# Altium PCB HTBLEBMSALL24S100A_PCB_V0.2_260323.pcbdoc (part 1 of 7)
Units mm, origin at the board's own origin, x right, y up, seen from the top; angles counter-clockwise.
Board outline 212.1 x 87.6 mm, 2 copper layers (Top Layer, Bottom Layer), stack 1.56 mm thick; 927 components, 443 nets, 2867 pads, 2632 vias.
Unrouted connection lines stored in the file: 1161.
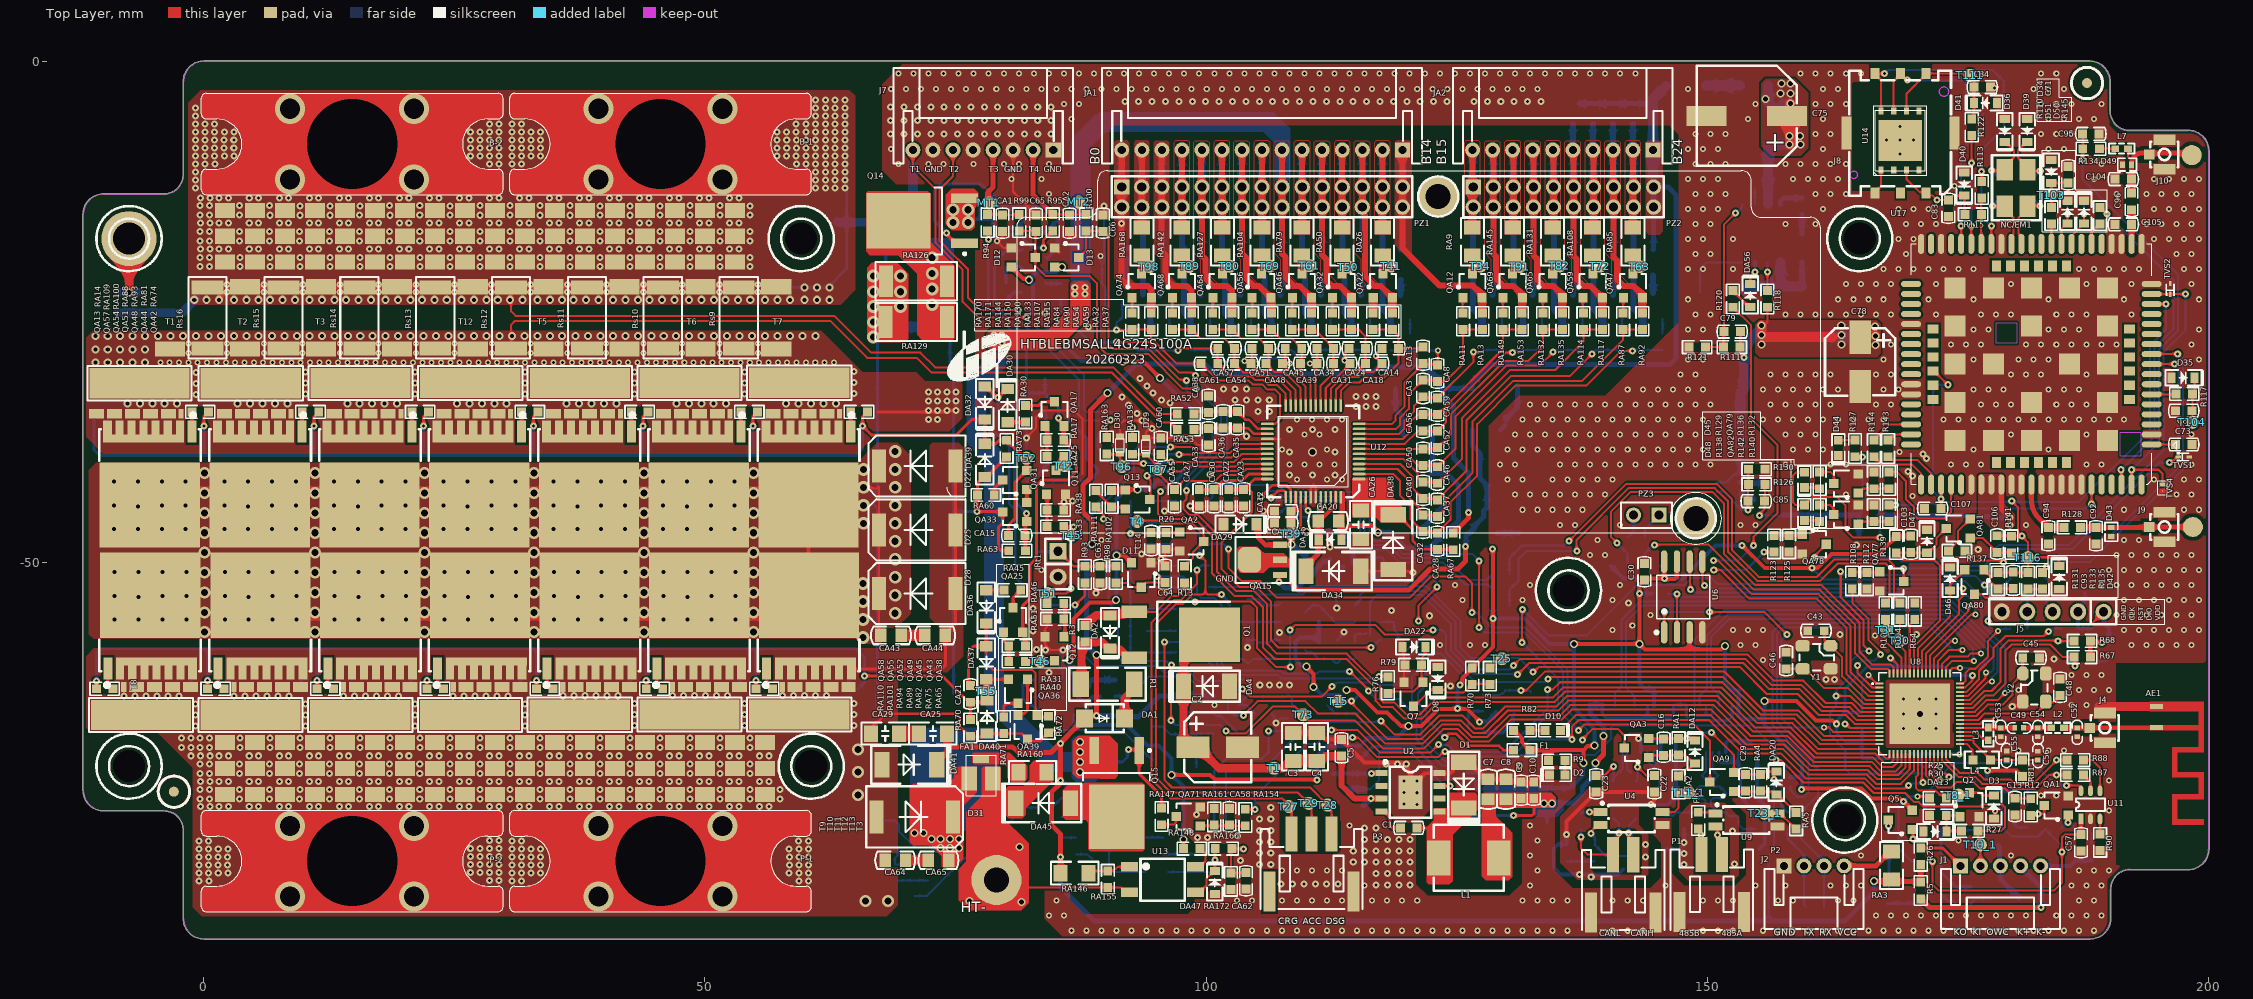
[diagram p0: Top Layer view]
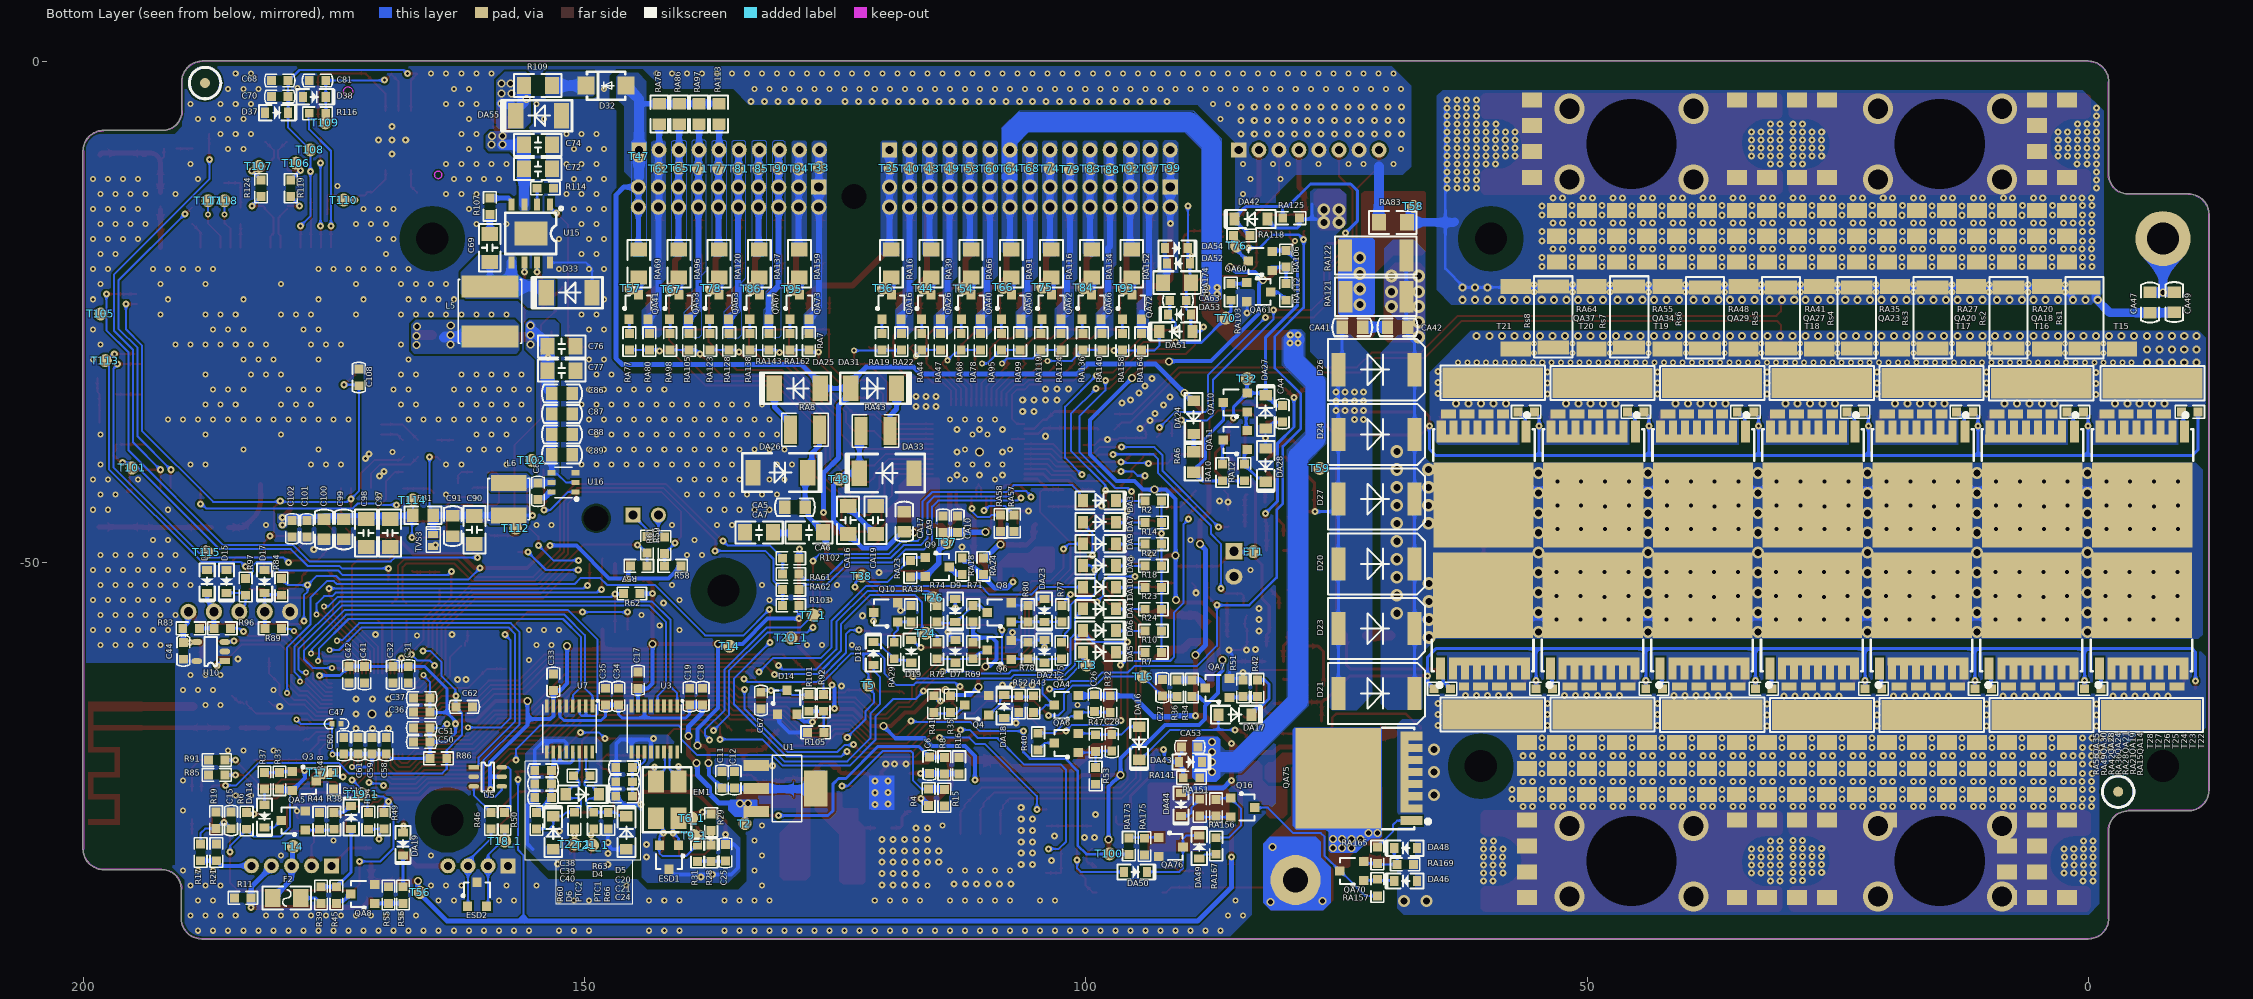
[diagram p1: Bottom Layer view, seen from below]

## Layer stack, top to bottom
Top Solder: solder mask 0.02, Solder Resist, Dk 3.5
Top Layer: signal copper 0.035
Dielectric 1: dielectric 1.49, FR-4, Dk 4.8
Bottom Layer: signal copper 0.035
Bottom Solder: solder mask 0.02, Solder Resist, Dk 3.5

## Board outline
-2.05,-85.5 -2.05,-76.718 ccw(c-4,-76.718) -4,-74.768 -10.002,-74.768 cw(c-10.002,-72.718) -12.052,-72.718 -12.052,-15.249 -12.052,-15.248 cw(c-10.002,-15.249) -10.009,-13.199 -10.002,-13.198 -4,-13.198 ccw(c-4,-11.249) -2.05,-11.249 -2.05,-2 cw(c0,-2) -0.002,0.05 0,0.05 188.134,0.05 188.143,0.051 cw(c188.143,-1.999) 190.193,-1.999 190.193,-4.92 ccw(c192.143,-4.92) 192.143,-6.87 198,-6.87 cw(c198,-8.92) 200.05,-8.92 200.049,-8.932 200.049,-78.579 cw(c197.998,-78.579) 197.998,-80.63 192.2,-80.63 ccw(c192.2,-82.579) 190.251,-82.579 190.251,-85.5 cw(c188.2,-85.5) 188.2,-87.55 0,-87.55 cw(c0,-85.5)

## Design rules (kind name [scope] priority, off if disabled: settings)
Clearance Clearance_3 [InNetClass('ANT') vs InNet('GND')] p1: gap=0.38 ignorepadtopadclearanceinfootprint=TRUE
Clearance Clearance_2 [InNetClass('HIGH1') vs InNet('GND')] p2: gap=0.35 ignorepadtopadclearanceinfootprint=TRUE
Clearance [All] p3: gap=0.2 ignorepadtopadclearanceinfootprint=TRUE
HoleSize [All] p1: absolutevalues=TRUE maxlimit=10 minlimit=0.025 maxpercent=80.000 minpercent=20.000
MinimumSolderMaskSliver [All] p1: minsoldermaskwidth=0
PlaneConnect [All] p1: planeconnectstyle=Direct reliefexpansion=0.508 reliefentries=4 reliefconductorwidth=0.3 reliefairgap=0.254
PolygonConnect [All] p1: connectstyle=Direct reliefconductorwidth=0.254 reliefentries=4 polygonreliefangle="90 Angle" airgapwidth=0.254
RoutingVias [All] p1: holewidth=0.3 width=0.7 viastyle="Through Hole" minholewidth=0.3 minwidth=0.7 maxholewidth=0.3 maxwidth=0.7
SilkToSilkClearance [All] p1: silktosilkclearance=0
SilkToSolderMaskClearance [IsPad] p1: minsilkscreentomaskgap=0 clearancetoexposedcopper=TRUE
SolderMaskExpansion [All] p1: expansion=0.102 istentingtop=FALSE
SupplyNets "Schematic Supply Nets_18" [InNet('VBAT')] p1: voltage=0.000
SupplyNets "Schematic Supply Nets_15" [InNet('B24')] p2: voltage=0.000
SupplyNets "Schematic Supply Nets_11" [InNet('5V+')] p3: voltage=0.000
SupplyNets "Schematic Supply Nets_8" [InNet('VLTE')] p4: voltage=0.000
SupplyNets "Schematic Supply Nets_7" [InNet('U_VDD')] p5: voltage=0.000
SupplyNets "Schematic Supply Nets_3" [InNet('VDD_2V8')] p6: voltage=0.000
SupplyNets "Schematic Supply Nets" [InNet('VDD_EXT')] p7: voltage=0.000
SupplyNets "Schematic Supply Nets_51" [InNet('+13V')] p8: voltage=0.000
SupplyNets "Schematic Supply Nets_50" [InNet('GND_S')] p9: voltage=0.000
SupplyNets "Schematic Supply Nets_48" [InNet('B23')] p10: voltage=0.000
SupplyNets "Schematic Supply Nets_46" [InNet('B22')] p11: voltage=0.000
SupplyNets "Schematic Supply Nets_45" [InNet('B19')] p12: voltage=0.000
SupplyNets "Schematic Supply Nets_44" [InNet('B16')] p13: voltage=0.000
SupplyNets "Schematic Supply Nets_42" [InNet('B21')] p14: voltage=0.000
SupplyNets "Schematic Supply Nets_41" [InNet('B17')] p15: voltage=0.000
SupplyNets "Schematic Supply Nets_40" [InNet('B18')] p16: voltage=0.000
SupplyNets "Schematic Supply Nets_39" [InNet('B20')] p17: voltage=0.000
SupplyNets "Schematic Supply Nets_6" [InNet('GND')] p18: voltage=0.000
SupplyNets "Schematic Supply Nets_36" [InNet('B15')] p19: voltage=0.000
SupplyNets "Schematic Supply Nets_35" [InNet('ETsH')] p20: voltage=0.000
SupplyNets "Schematic Supply Nets_33" [InNet('B5')] p21: voltage=0.000
SupplyNets "Schematic Supply Nets_31" [InNet('B7')] p22: voltage=0.000
SupplyNets "Schematic Supply Nets_30" [InNet('IGND')] p23: voltage=0.000
SupplyNets "Schematic Supply Nets_29" [InNet('B13')] p24: voltage=0.000
SupplyNets "Schematic Supply Nets_28" [InNet('B0')] p25: voltage=0.000
SupplyNets "Schematic Supply Nets_27" [InNet('B6')] p26: voltage=0.000
SupplyNets "Schematic Supply Nets_23" [InNet('B9')] p27: voltage=0.000
SupplyNets "Schematic Supply Nets_22" [InNet('B8')] p28: voltage=0.000
SupplyNets "Schematic Supply Nets_21" [InNet('B14')] p29: voltage=0.000
SupplyNets "Schematic Supply Nets_17" [InNet('PACK-')] p30: voltage=0.000
SupplyNets "Schematic Supply Nets_16" [InNet('B1')] p31: voltage=0.000
SupplyNets "Schematic Supply Nets_14" [InNet('M5V')] p32: voltage=0.000
SupplyNets "Schematic Supply Nets_13" [InNet('E3V3')] p33: voltage=0.000
SupplyNets "Schematic Supply Nets_12" [InNet('B11')] p34: voltage=0.000
SupplyNets "Schematic Supply Nets_10" [InNet('B2')] p35: voltage=0.000
SupplyNets "Schematic Supply Nets_9" [InNet('B4')] p36: voltage=0.000
SupplyNets "Schematic Supply Nets_5" [InNet('B12')] p37: voltage=0.000
SupplyNets "Schematic Supply Nets_4" [InNet('B3')] p38: voltage=0.000
SupplyNets "Schematic Supply Nets_2" [InNet('B10')] p39: voltage=0.000
SupplyNets "Schematic Supply Nets_1" [InNet('M3V3')] p40: voltage=0.000
Width [All] p1: maxlimit=2 minlimit=0.2 preferedwidth=0.2
25 further rules are at their usual default settings.

## Classes and differential pairs
net class HIGH: B3 B4 B5 B6 B7 B8 B9 B10 B11 B12 B13 B14 B15 B16 B17 B18 B19 B20 B21 B22 B23 B24 C3 C4 C5 C6 C7 C8 C9 C10 C11 C12 C13 C14 C15 C16 C17 C18 C19 C20 C21 C22 C23 C24 NetCA5_2 NetCA16_1 NetDA25_2 VBASE VBAT VTOP
net class ANT: ANT_G ANT_GNSS ANT_M ANT_MAIN NetAE1_1 NetC49_1 NetC49_2 NetL7_2
component class HTBLEBMSALL4G&AB_Sch_V0.1_20260317: C29 C48 C71 C74 C75 C77 C81 C84 C87 C88 C90 C92 C95 C96 C100 C108 D22 D33 D34 D35 D36 D37 D38 D39 D40 D41 D42 D43 D44 D45 D46 D47 D48 D49 D50 D51 DA55 DA56 FB1 J8 J9 J10 L6 L7 NC/EM1 QA30 QA81 QA82 R109 R111 R114 R129 R132 R134 R136 R139 R145 T32 T46 T47 T48 T50 T82 TVS1 TVS2 TVS3 TVS4 U16 U17
component class HTBLEBMSALLPro1_4G&AB_Sch_V0.1_260316: B-1 CA3 CA4 CA5 CA7 CA9 CA10 CA11 CA12 CA13 CA15 CA16 CA17 CA19 CA20 CA21 CA22 CA23 CA25 CA27 CA29 CA31 CA33 CA35 CA39 CA41 CA42 CA43 CA44 CA47 CA49 CA50 CA54 CA56 CA58 CA61 CA64 CA65 D18 D19 D20 D21 D23 D24 D27 D28 D29 D31 DA23 DA24 DA25 DA27 DA28 DA29 DA30 DA33 DA35 DA37 DA39 DA40 DA41 DA44 DA46 DA48 DA49 DA50 FA1 J1 JA1 P6 P-2 Q9 Q10 Q11 Q15 Q16 QA11 QA12 QA13 QA14 QA15 QA16 QA18 QA20 QA21 QA22 QA27 QA28 QA30 QA31 QA32 QA34 QA36 QA38 QA39 QA42 QA43 QA45 QA47 QA49 QA52 QA55 QA59 QA64 QA68 QA70 QA74 QA75 QA76 RA7 RA9 RA11 RA12 RA16 RA18 RA20 RA22 RA26 RA30 RA32 RA34 RA36 RA39 RA43 RA47 RA49 RA50 RA52 RA53 RA54 RA57 RA61 RA62 RA63 RA65 RA67 RA69 RA77 RA79 RA81 RA83 RA84 RA91 RA93 RA95 RA98 RA104 RA107 RA108 RA109 RA110 RA111 RA113 RA115 RA116 RA117 RA119 RA122 RA123 RA124 RA125 RA128 RA130 RA132 RA134 RA135 RA137 RA138 RA139 RA140 RA141 RA143 RA144 RA145 RA147 RA148 RA149 RA151 RA152 RA153 RA156 RA157 RA159 RA160 RA162 RA164 RA165 RA166 RA167 RA169 RA170 RA171 RA172 RA174 RA175 Rs1 Rs2 Rs3 Rs4 Rs5 Rs6 Rs7 Rs9 T15 T16 T24 T25 T26 T28 T32 T34 T36 T38 T40 T42 T45 T48 T50 T52 T58 T60 T68 T70 T72 T73 T76 T82 T85 T88 T96 T98 U12 U13
component class HTBLEBMSALLCtrl_4G&AB_Sch_V0.1_260316: AE1 C1 C2 C3 C6 C10 C11 C12 C13 C14 C15 C18 C19 C20 C21 C22 C24 C26 C27 C29 C32 C33 C34 C35 C38 C39 C40 C42 C45 C46 C48 C52 C56 C57 C59 C61 C62 C65 C71 CA1 CA2 D1 D2 D4 D5 D11 D12 D13 D22 DA2 DA4 DA5 DA6 DA7 DA10 DA12 DA14 DA15 DA17 DA20 DA23 EM1 ESD1 ESD2 ET1 F1 IRt1 J1 J2 J4 L1 L2 L3 MT1 MT2 PTC1 Q1 Q2 Q5 Q6 Q7 QA7 QA11 QA30 QA64 QA68 QA74 R2 R4 R7 R10 R14 R17 R20 R21 R25 R26 R28 R30 R32 R34 R36 R38 R40 R42 R44 R45 R46 R47 R48 R49 R50 R51 R53 R56 R57 R59 R60 R61 R63 R67 R69 R72 R73 R79 R83 R88 R93 R94 R95 R96 R97 R99 R100 R102 R103 R105 R106 R109 R111 RA65 RA135 RA152 T5 T16 T24 T25 T26 T27 T28 T46 T50 T52 T60 T68 T72 T88 T99 U2 U4 U5 U9 Y1 Y2

## Components (designator, comment, footprint, x,y, rotation, side; value= is the part's Value field where it differs from the comment)
AE1 "Antenna_Shield" ANT-2 194.825,-66.458 r270 top
B-1 "PCB-M5" PCB-276M5 45.555,-8.229 r0 top
B-2 "PCB-M5" PCB-276M5 14.807,-8.229 r0 top
C1 "100nF/100V" C0603 121.045,-76.457 r180 top
C2 "Cap Pol2" SMD-EC6.3*6.3*10 98.685,-68.408 r0 top value=22uF/100V
C3 "2.2uF/100V" C1206 108.673,-66.975 r270 top
C4 "2.2uF/100V" C1206 111.049,-66.974 r270 top
C5 "100nF/100V" C0603 113.504,-67.653 r270 top
C6 "68pF" C0603 115.618,-69.379 r270 bottom
C7 "22uF/25V" C0805 128.127,-71.59 r270 top
C8 "22uF/25V" C0805 129.902,-71.59 r270 top
C9 "10uF/10V" C0603 131.416,-71.867 r270 top
C10 "10nF/100V" C0603 132.681,-71.867 r270 top
C11 "100nF/10V" C0603 136.304,-70.841 r270 bottom
C12 "10uF/10V" C0603 135.041,-70.841 r270 bottom
C13 "10nF100V" C0603 180.692,-75.154 r90 top
C14 "100nF/10V" C0603 94.51,-48.62 r90 top
C15 "10nF100V" C0603 185.27,-74.89 r270 bottom
C16 "100nF/10V" C0603 145.634,-69.223 r90 top
C17 "1uF" C0603 144.681,-60.908 r270 bottom
C18 "10uF" C0603 138.23,-62.528 r270 bottom
C19 "100nF" C0603 139.52,-62.528 r270 bottom
C20 "10uF" C0603 145.245,-70.415 r0 bottom
C21 "100nF" C0603 145.245,-71.859 r0 bottom
C22 "10pF" C0603 144.711,-72.875 r90 top
C23 "10pF" C0603 138.9,-72.875 r90 top
C24 "1uF" C0603 146.896,-73.304 r180 bottom
C25 "10nF" C0603 135.96,-78.11 r270 bottom
C26 "100nF" C0603 99.128,-63.178 r270 bottom
C27 "100nF" C0603 92.369,-63.288 r90 bottom
C28 "100nF" C0603 97.416,-67.138 r270 bottom
C29 "100nF/10V" C0603 153.792,-72.794 r90 top
C30 "100nF" C0603 143.72,-50.089 r270 top
C31 "100nF" C0603 167.6,-60.346 r270 bottom
C32 "4.7uF" C0603 169.133,-60.346 r270 bottom
C33 "1uF" C0603 153.129,-61.099 r270 bottom
C34 "10uF" C0603 146.62,-62.528 r270 bottom
C35 "100nF" C0603 147.91,-62.528 r270 bottom
C36 "4.7uF" C0603 165.44,-64.899 r0 bottom
C37 "100nF" C0603 165.44,-63.519 r0 bottom
C38 "1uF" C0603 154.98,-70.719 r180 bottom
C39 "10uF" C0603 154.98,-72.075 r180 bottom
C40 "100nF" C0603 154.98,-73.431 r180 bottom
C41 "4.7uF" C0603 171.96,-60.346 r270 bottom
C42 "100nF" C0603 173.5,-60.346 r270 bottom
C43 "20pF" C0603 161.666,-56.793 r180 top
C44 "100nF" C0603 190.042,-59.63 r90 bottom
C45 "20pF" C0603 181.47,-59.499 r0 top
C46 "20pF" C0603 157.864,-60.589 r90 top
C47 "1uF/6.3V" 0402C 174.754,-66.073 r180 bottom
C48 "20pF" C0603 185.183,-63.265 r90 top
C49 "100pF" 0402C 181.113,-66.491 r180 top
C50 "1uF" C0603 165.44,-67.879 r0 bottom
C51 "10nF" C0603 165.44,-66.489 r0 bottom
C52 "1.2pF" 0402C 186.903,-66.919 r270 top
C53 "NC" 0402C 179.259,-66.919 r90 top
C54 "1.2pF" 0402C 182.986,-66.932 r270 top
C55 "1uF/6.3V" 0402C 179.849,-69.234 r90 top
C56 "1uF/6.3V" 0402C 182.978,-69.249 r90 top
C57 "100nF" C0603 187.276,-78.755 r90 top
C58 "4.7uF" C0603 169.794,-69.077 r90 bottom
C59 "100nF" C0603 171.207,-69.077 r90 bottom
C60 "4.7uF" C0603 174.034,-69.077 r90 bottom
C61 "100nF" C0603 172.621,-69.077 r90 bottom
C62 "1uF" C0603 161.177,-64.389 r0 bottom
C63 "10nF" C0603 89.422,-52.01 r90 top
C64 "22nF" C0603 95.899,-50.334 r270 top
C65 "22nF" C0603 83.025,-15.297 r270 top
C66 "22nF" C0603 89.702,-15.297 r270 top
C67 "100nF" C0603 132.412,-64.578 r90 bottom
C68 "33pF" C0603 179.59,-1.89 r0 bottom
C69 "100nF/100V" C1206 159.47,-19.979 r90 bottom
C70 "100nF" C0603 179.59,-3.509 r0 bottom
C71 "1uF" C0603 185.998,-10.479 r270 top
C72 "100nF/100V" C1206 153.269,-10.717 r0 bottom
C73 "10nF" C0603 198.365,-38.205 r180 top
C74 "2.2uF/100V" C1206 153.269,-8.316 r0 bottom
C75 "Cap Pol2" SMD-EC10*10*10 149.93,-5.419 r0 top value=100uF/100V
C76 "22uF/10V" C1206 150.892,-28.42 r0 bottom
C77 "22uF/10V" C1206 150.892,-30.834 r0 bottom
C78 "Cap Pol2" SMD-EC6.3*6.3*10 165.24,-27.488 r270 top value=100uF/16V
C79 "150pF" C0603 153.3,-26.953 r180 top
C80 "1uF" C0603 196.714,-34.842 r0 top
C81 "22pF" C0603 175.829,-1.89 r0 bottom
C82 "100nF/50V" C0603 154.659,-42.064 r270 bottom
C83 "22pF" C0603 174.04,-13.823 r270 top
C84 "22pF" C0603 176.61,-2.552 r0 top
C85 "100pF/50V" C0603 155.69,-43.862 r180 top
C86 "10uF/10V" C0805 151.26,-33.124 r0 bottom
C87 "10uF/10V" C0805 151.26,-35.162 r0 bottom
C88 "10uF/10V" C0805 151.26,-37.2 r0 bottom
C89 "100nF/50V" C0805 151.26,-39.238 r0 bottom
C90 "22uF/10V" C1206 161.007,-48.117 r90 bottom
C91 "10uF/10V" C0805 163.164,-47.355 r90 bottom
C92 "NC" C0603 188.773,-48.138 r90 top
C93 "NC/1nF" C0603 180.519,-52.593 r90 top
C94 "NC" C0603 184.018,-48.14 r90 top
C95 "100nF/50V" C0603 189.093,-7.22 r180 top
C96 "33pF" C0603 192.32,-13.139 r270 top
C97 "100uF/10V" C1206 169.406,-48.434 r90 bottom
C98 "100uF/10V" C1206 171.812,-48.434 r90 bottom
C99 "1uF/10V" C0805 174.03,-47.685 r90 bottom
C100 "100nF/50V" C0805 176.003,-47.685 r90 bottom
C101 "33pF/50V" C0603 177.719,-47.457 r90 bottom
C102 "10pF/50V" C0603 179.186,-47.457 r90 bottom
C103 "NC/470PF" C0603 170.297,-48.972 r90 top
C104 "NC" C0603 190.679,-11.74 r0 top
C105 "NC" C0603 190.675,-16.251 r0 top
C106 "NC/1nF" C0603 178.912,-48.968 r90 top
C107 "1uF/10V" C0603 171.65,-44.599 r0 top
C108 "1uF/10V" C0603 172.526,-30.698 r270 bottom
CA1 "10nF/100V" C0603 79.687,-15.297 r270 top
CA2 "10nF/100V" C0603 86.363,-15.297 r270 top
CA3 "100nF" C0603 121.629,-31.792 r270 top
CA4 "1uF/50V" C0603 80.37,-34.332 r270 bottom
CA5 "100nF/200V" C0805 130.037,-44.466 r180 bottom
CA6 "2.2uF/100V" C1206 129.021,-46.983 r180 bottom
CA7 "2.2uF/100V" C1206 134,-46.983 r180 bottom
CA8 "100nF" C0603 123.077,-30.268 r270 top
CA9 "100nF" C0603 114.246,-45.325 r270 bottom
CA10 "1uF/50V" C0603 112.798,-45.325 r270 bottom
CA11 "100nF" C0603 106.821,-46.066 r0 top
CA12 "1uF/50V" C0603 106.821,-44.873 r0 top
CA13 "100nF" C0603 121.629,-28.49 r270 top
CA14 "100nF" C0603 117.54,-28.617 r0 top
CA15 "10nF/NC" C0603 80.283,-47.286 r0 top
CA16 "2.2uF/100V" C1206 123.712,-44.365 r270 bottom
CA17 "100nF/200V" C0805 118.118,-44.899 r270 bottom
CA18 "100nF" C0603 115.889,-30.141 r0 top
CA19 "2.2uF/100V" C1206 120.97,-44.365 r270 bottom
CA20 "2.2uF/50V" C0805 111.177,-45.838 r0 top
CA21 "10nF/NC" C0603 76.471,-63.922 r90 top
CA22 "1uF/50V" C0603 102.256,-44.362 r90 top
CA23 "100nF" C0603 103.726,-44.362 r90 top
CA24 "100nF" C0603 114.238,-28.617 r0 top
CA25 "10nF/100V" C1206 74.131,-67.046 r180 top
CA26 "100nF/250V" C1206 115.432,-47.613 r90 top
CA27 "1uF/50V" C0603 99.316,-44.362 r90 top
CA28 "100nF" C0603 123.077,-47.032 r270 top
CA29 "10nF/100V" C1206 69.382,-67.046 r180 top
CA30 "100nF" C0603 100.786,-44.362 r90 top
CA31 "100nF" C0603 112.714,-30.141 r0 top
CA32 "100nF" C0603 121.629,-45.254 r270 top
CA33 "NC/10nF" C0603 100.243,-36.618 r270 top
CA34 "100nF" C0603 111.063,-28.617 r0 top
CA35 "100pF" C0603 103.113,-36.567 r90 top
CA36 "100nF" C0603 101.69,-36.567 r90 top
CA37 "100nF" C0603 123.077,-43.73 r270 top
CA38 "NC/10nF" C0603 100.243,-33.366 r270 top
CA39 "100nF" C0603 109.412,-30.141 r0 top
CA40 "100nF" C0603 121.629,-41.952 r270 top
CA41 "10nF/100V" C0805 74.426,-26.523 r180 bottom
CA42 "10nF/100V" C0805 69.905,-26.523 r180 bottom
CA43 "100nF/100V/NC" C0805 67.553,-57.25 r0 top
CA44 "100nF/100V/NC" C0805 71.947,-57.25 r0 top
CA45 "100nF" C0603 107.888,-28.617 r0 top
CA46 "100nF" C0603 123.077,-40.428 r270 top
CA47 "10nF/200V" C0805 -6.161,-23.033 r270 bottom
CA48 "100nF" C0603 105.983,-30.141 r0 top
CA49 "10nF/200V" C0805 -8.586,-23 r270 bottom
CA50 "100nF" C0603 121.629,-38.65 r270 top
CA51 "100nF" C0603 104.586,-28.617 r0 top
CA52 "100nF" C0603 123.077,-36.872 r270 top
CA53 "100nF" C0603 90.446,-68.388 r180 bottom
CA54 "100nF" C0603 102.808,-30.141 r0 top
CA55 "10nF/50V" C0603 96.847,-42.711 r270 top
CA56 "100nF" C0603 121.629,-35.221 r270 top
CA57 "100nF" C0603 101.157,-28.617 r0 top
CA58 "100nF" C0603 102.328,-74.511 r270 top
CA59 "100nF" C0603 123.077,-33.57 r270 top
CA60 "10nF/50V" C0603 95.467,-39.208 r90 top
CA61 "100nF" C0603 99.506,-30.141 r0 top
CA62 "100nF" C0603 103.974,-82.569 r90 top
CA63 "100nF" C0603 89.98,-23.829 r0 bottom
CA64 "10nF/100V" C0805 67.975,-79.691 r0 top
CA65 "10nF/100V" C0805 72.277,-79.691 r0 top
D1 "SS310" SMA/DO-214AC 125.701,-69.901 r90 top
D2 "XL-1608SURC-06/XL-1608UBC-04" LED0603R 135.794,-71.179 r180 top
D3 "BZT52C3V6S" SOD-323 178.584,-75.521 r90 top
D4 "SMF6.5CA" SOD-123 151.882,-73.109 r180 bottom
D5 "SMF6.5CA" SOD-123 145.84,-78.594 r90 bottom
D6 "SMF6.5CA" SOD-123 153.133,-78.594 r90 bottom
D7 "BZT52C3V3S" SOD-323 113.019,-57.7 r270 bottom
D8 "BZT52C3V3S" SOD-323 123.103,-60.408 r270 top
D9 "BZT52C3V3S" SOD-323 113.029,-53.618 r270 bottom
D10 "XL-1608SURC-06/XL-1608UBC-04" LED0603R 133.82,-66.734 r0 top
D11 "BAT54S,215" SOT23 94.477,-50.029 r180 top value=BAT54S-7-F
D12 "BAT54S,215" SOT23 80.558,-18.599 r270 top value=BAT54S-7-F
D13 "BAT54S,215" SOT23 84.876,-18.599 r270 top value=BAT54S-7-F
D14 "BAT54S,215" SOT23 130.745,-65.119 r180 bottom value=BAT54S-7-F
D15 "BZT52C3V6S/MM3Z3V6" SOD-323 185.741,-50.726 r270 bottom
D16 "BZT52C3V6S/MM3Z3V6" SOD-323 187.666,-50.726 r270 bottom
D17 "BZT52C3V6S/MM3Z3V6" SOD-323 181.929,-50.726 r270 bottom
D18 "1N5819WS" SOD-323 121.198,-60.201 r90 bottom
D19 "1N5819WS" SOD-323 117.413,-57.7 r270 bottom
D20 "SMDJ78CA" SMC/DO-214AB 74.817,-50.12 r180 bottom
D21 "SMDJ78CA" SMC/DO-214AB 74.817,-63.034 r180 bottom
D22 "SMDJ78CA/NC" SMC/DO-214AB 74.97,-40.359 r180 top
D23 "SMDJ78CA" SMC/DO-214AB 74.817,-56.577 r180 bottom
D24 "SMDJ78CA" SMC/DO-214AB 74.817,-37.207 r180 bottom
D25 "SMDJ78CA/NC" SMC/DO-214AB 74.97,-46.722 r180 top
D26 "SMDJ78CA" SMC/DO-214AB 74.817,-30.75 r180 bottom
D27 "SMDJ78CA" SMC/DO-214AB 74.817,-43.663 r180 bottom
D28 "SMDJ78CA/NC" SMC/DO-214AB 74.97,-53.084 r180 top
D29 "PESD5V0S1BBN" SOD-523 94.429,-37.745 r270 top
D30 "PESD5V0S1BBN" SOD-523 91.854,-37.634 r270 top
D31 "SMDJ78CA" SMC/DO-214AB 67.106,-75.353 r0 top
D32 "M4F" SMAF 147.869,-2.404 r0 bottom
D33 "SS310" SMA/DO-214AC 149.263,-23.067 r180 bottom
D34 "HSESD0561P1-U" SOD-323 184.32,-9.834 r270 top
D35 "HSESD0561P1-U" SOD-323 196.324,-31.559 r0 top
D36 "HSESD0561P1-U" SOD-323 179.673,-5.754 r270 top
D37 "HESD0501D3-H" SOD-323 181.876,-5.109 r180 bottom
D38 "HESD0501D3-H" SOD-323 178.115,-3.529 r180 bottom
D39 "HSESD0561P1-U" SOD-323 181.914,-5.754 r270 top
D40 "HESD0501D3-H" SOD-323 175.633,-11.088 r270 top
D41 "HESD0501D3-H" SOD-323 178.881,-4.145 r180 top
D42 "HESD0501D3-H" SOD-323 185.106,-52.624 r90 top
D43 "HP1005H15" HP1005H15 190.31,-46.919 r180 top
D44 "XL-1608SURC-06/XL-1608UBC-04" LED0603R 163.065,-37.786 r270 top
D45 "XL-1608SURC-06/XL-1608UBC-04" LED0603R 159.69,-40.979 r270 top
D46 "HESD0501D3-H" SOD-323 174.221,-52.767 r90 top
D47 "HESD0501D3-H" SOD-323 171.92,-49.004 r90 top
D48 "XL-1608SURC-06/XL-1608UBC-04" LED0603R 159.69,-44.259 r270 top
D49 "HP1005H15" HP1005H15 191.89,-10.29 r90 top
D50 "HESD0501D3-H" SOD-323 187.569,-16.177 r90 top
D51 "HESD0501D3-H" SOD-323 185.938,-16.177 r90 top
DA1 "M4F" SMAF 89.869,-65.533 r0 top
DA2 "BZT52C15" SOD-123 90.413,-55.261 r270 top
DA3 "BAV21W" SOD-123 100.293,-43.791 r180 bottom
DA4 "SMAJ85A" SMA/DO-214AC 102.323,-62.322 r0 top
DA5 "BAV21W" SOD-123 100.293,-58.93 r180 bottom
DA6 "BAV21W" SOD-123 100.293,-56.767 r180 bottom
DA7 "BAV21W" SOD-123 100.293,-45.954 r180 bottom
DA8 "BAV21W" SOD-123 100.293,-50.279 r180 bottom
DA9 "BAV21W" SOD-123 100.293,-48.116 r180 bottom
DA10 "BAV21W" SOD-123 100.293,-52.442 r180 bottom
DA11 "BAV21W" SOD-123 100.293,-54.604 r180 bottom
DA12 "BZT52C15S" SOD-323 148.766,-70.042 r90 top
DA13 "BZT52C15S" SOD-323 171.57,-76.825 r0 top
DA14 "1N4148WS" SOD-323 181.945,-74.15 r270 bottom
DA15 "1N4148WS" SOD-323 173.297,-76.573 r90 bottom
DA16 "BAV21W" SOD-123 94.68,-66.361 r270 bottom
DA17 "BAV21W" SOD-123 86.77,-65.162 r180 bottom
DA18 "BZT52C15S" SOD-323 108.142,-65.497 r90 bottom
DA19 "1N4148WS" SOD-323 168.119,-76.911 r270 bottom
DA20 "BZT52C15S" SOD-323 156.887,-73.118 r90 top
DA21 "BZT52C15S" SOD-323 104.139,-57.7 r270 bottom
DA22 "BZT52C15S" SOD-323 119.592,-58.413 r0 top
DA23 "BZT52C15S" SOD-323 104.139,-53.618 r270 bottom
DA24 "1N4148W" SOD-123 89.243,-33.849 r270 bottom
DA25 "SS2200" SMA/DO-214AC 126.509,-32.602 r180 bottom